# Altium PCB ANTS-MotherBoard-B1.PcbDoc (part 2 of 2) (continued)
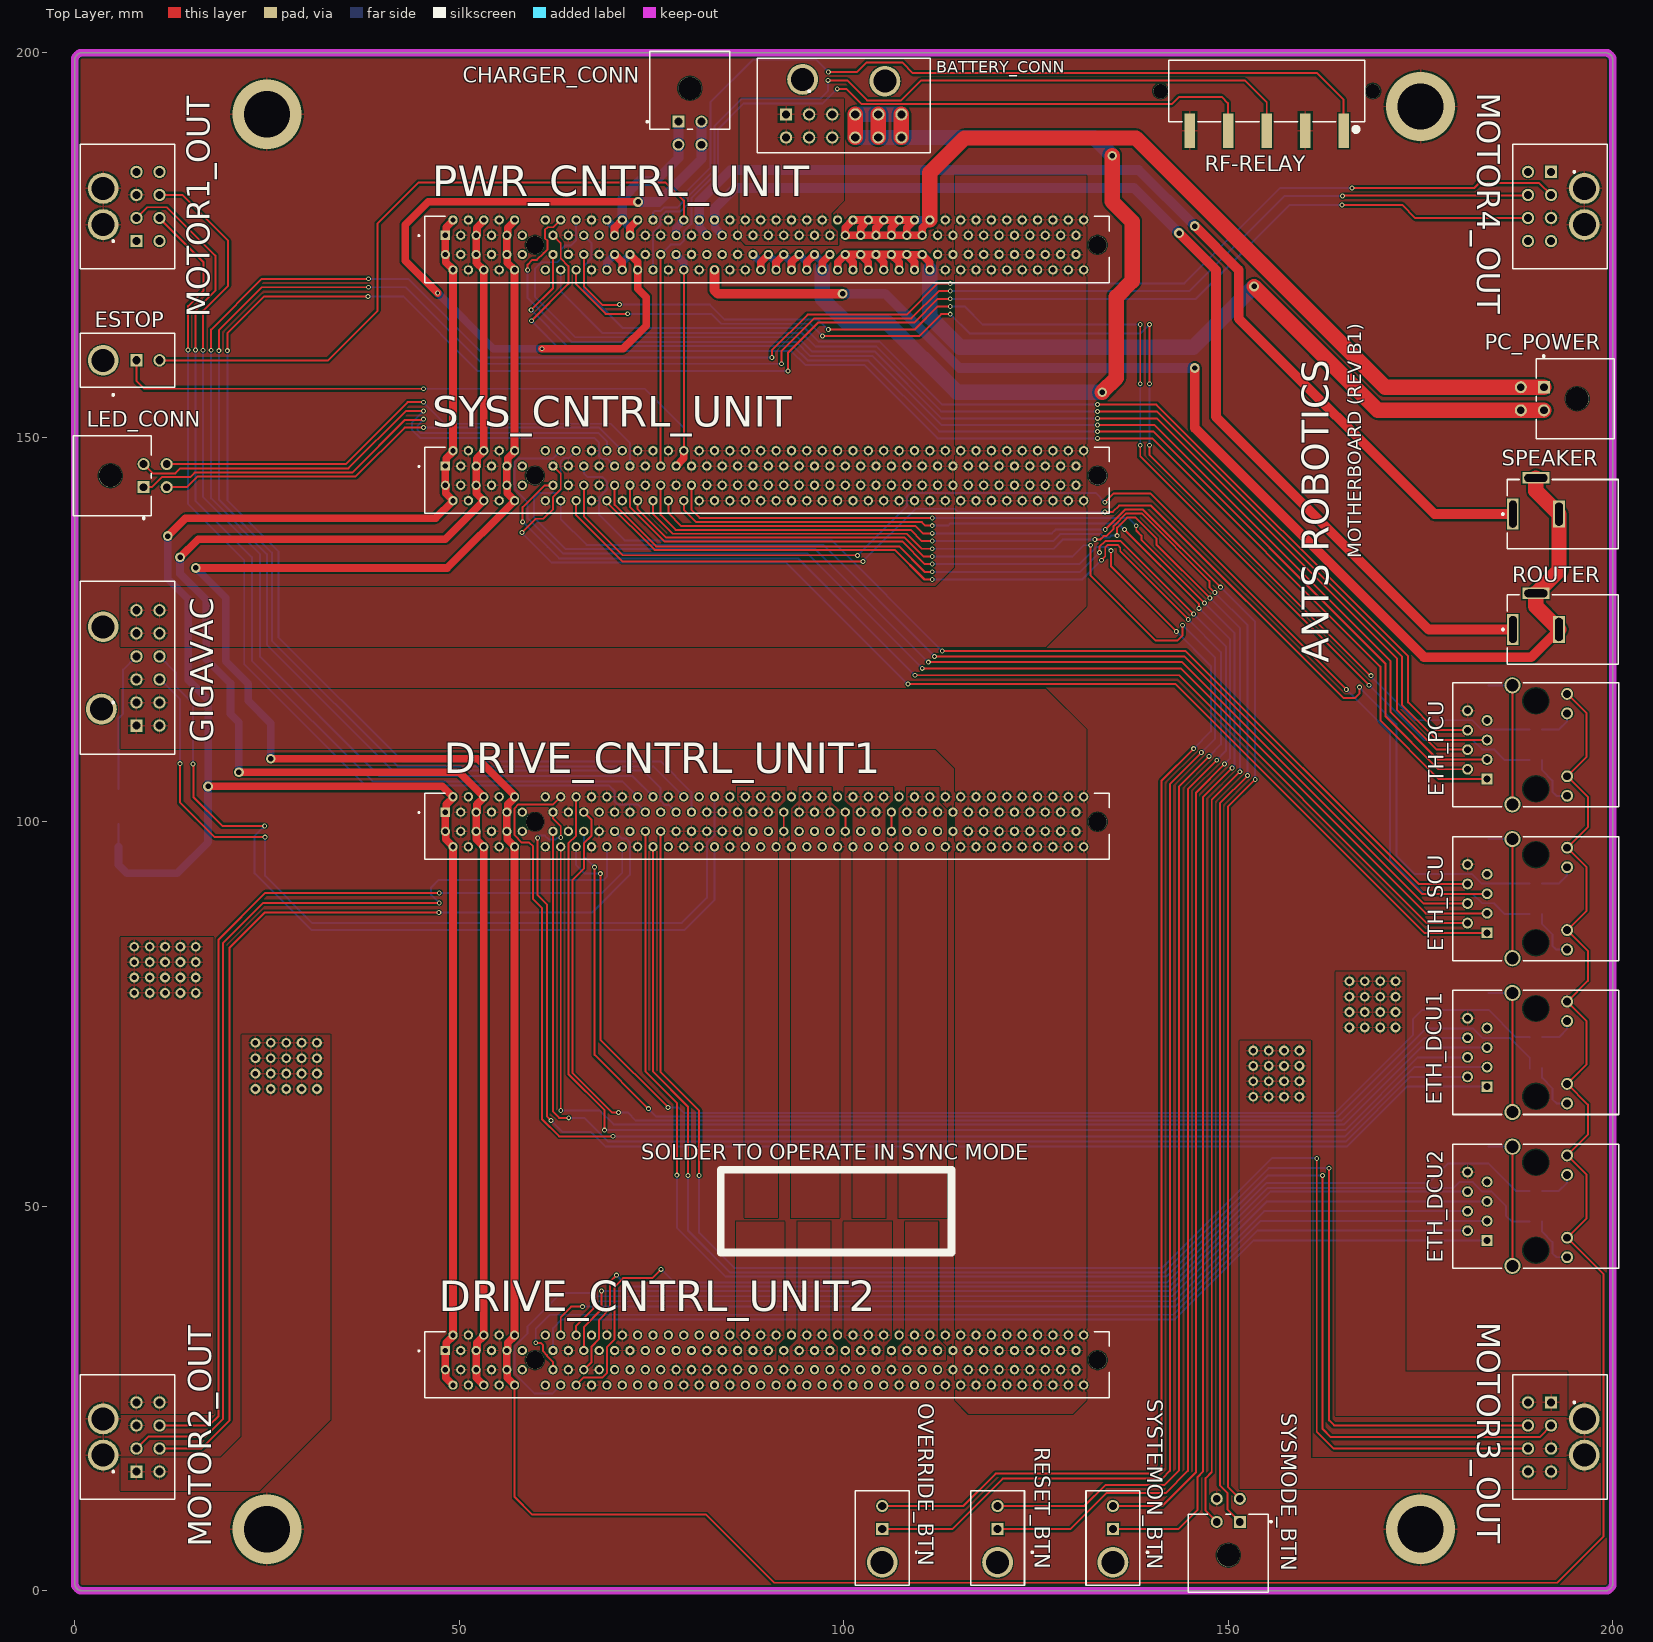
[diagram p0: Top Layer view]
## Nets (pads, with @x,y where several pads share a name; then routed paths per layer and width w, separated by ;. In a path a pad name is that pad's centre, name@x,y a point inside that pad or via, vN(x,y) a via of type N, cw(c..) or ccw(c..) an arc to the next point about the centre after c; other vN are vias at no path point) (continued)
  Bottom Layer w0.254: SYS_CNTRL_UNIT.B14@63.2,141.75 63.2,139.35 66.561,135.989 97.311,135.989 v1(111.8,121.5)
RD+_DCU1: DRIVE_CNTRL_UNIT1.A16 ETH_DCU1.5 | length 161.8
  Top Layer w0.254: DRIVE_CNTRL_UNIT1.A16@65.2,103.25 65.2,98.2 64.2,97.2 64.2,67.2 68.9,62.5 v1(68.9,59.9)
  Bottom Layer w0.254: v1(68.9,59.9) 165.2,59.9 174.665,69.365 ETH_DCU1.5@181.11,69.365
RD+_DCU2: DRIVE_CNTRL_UNIT2.A16 ETH_DCU2.5 | length 123.9
  Top Layer w0.254: DRIVE_CNTRL_UNIT2.A16@65.2,33.25 65.2,34.45 67.45,36.7 v1(67.45,37.65) v1@67.5,37.6
  Bottom Layer w0.254: v1(67.45,37.65) 142.95,37.65 154.665,49.365 ETH_DCU2.5@181.11,49.365
RD+_PCU: ETH_PCU.5 PWR_CNTRL_UNIT.A16 | length 163.5
  Top Layer w0.254: v1(133,152.45) 140.7,152.45 171.917,121.233 171.917,114.533 177.085,109.365 ETH_PCU.5@181.11,109.365
  Bottom Layer w0.254: PWR_CNTRL_UNIT.A16@65.2,178.25 65.2,175.6 64.5,174.9 63.7,174.9 63.2,174.4 63.2,173.2 62.75,172.75 60.7,172.75 59.85,171.9 59.85,168.25 65.1,163 94,163 95.85,161.15 104,161.15 112.7,152.45 v1(133,152.45)
RD+_SCU: ETH_SCU.5 SYS_CNTRL_UNIT.A16 | length 154.9
  Top Layer w0.254: v1(111,120.75) 144,120.75 175.385,89.365 ETH_SCU.5@181.11,89.365
  Bottom Layer w0.254: SYS_CNTRL_UNIT.A16@65.2,148.25 64.234,147.284 63.584,147.284 63.2,146.9 63.2,143.15 62.8,142.75 60.4,142.75 59.75,142.1 59.75,139.55 62.15,137.15 63.85,135.45 96.3,135.45 v1(111,120.75)
RD-_DCU1: DRIVE_CNTRL_UNIT1.A17 ETH_DCU1.7 | length 158.7
  Top Layer w0.254: DRIVE_CNTRL_UNIT1.A17@66.2,101.25 67.2,100.25 67.2,98.2 66.2,97.2 66.2,93.9 64.75,92.45 64.75,67.3 69.85,62.2 v1(70.7,62.2)
  Bottom Layer w0.254: v1(70.7,62.2) 71.9,62.2 72.95,61.15 164.7,61.15 175.455,71.905 ETH_DCU1.7@181.11,71.905
RD-_DCU2: DRIVE_CNTRL_UNIT2.A17 ETH_DCU2.7 | length 126.7
  Top Layer w0.254: DRIVE_CNTRL_UNIT2.A17@66.15,31.2 DRIVE_CNTRL_UNIT2.A17@66.2,31.25 66.2,34.3 68.5,36.6 v1(68.5,39)
  Bottom Layer w0.254: v1(68.5,39) 142.55,39 155.455,51.905 ETH_DCU2.7@181.11,51.905
RD-_PCU: ETH_PCU.7 PWR_CNTRL_UNIT.A17 | length 150
  Top Layer w0.254: v1(133,154.25) 140.65,154.25 173.389,121.511 173.389,115.511 176.995,111.905 ETH_PCU.7@181.11,111.905
  Bottom Layer w0.254: PWR_CNTRL_UNIT.A17@66.2,176.25 67.2,175.25 67.2,173.25 66.2,172.25 66.2,169.25 71.25,164.2 94.95,164.2 96.7,162.45 104.6,162.45 112.8,154.25 v1(133,154.25)
RD-_SCU: ETH_SCU.7 SYS_CNTRL_UNIT.A17 | length 141.9
  Top Layer w0.254: v1(112.8,122.2) 144.45,122.2 174.745,91.905 ETH_SCU.7@181.11,91.905
  Bottom Layer w0.254: SYS_CNTRL_UNIT.A17@66.2,146.25 66.2,145.3 66.65,144.85 68.6,144.85 69.2,144.25 69.2,143.2 68.2,142.2 68.2,139.9 71.516,136.584 98.416,136.584 v1(112.8,122.2)
RF_RELAY_IN: PWR_CNTRL_UNIT.B27 RF-RELAY.4 SYS_CNTRL_UNIT.A27 | length 121.2
  Top Layer w0.254: SYS_CNTRL_UNIT.A27@76.2,146.25 PWR_CNTRL_UNIT.B27@76.2,173.75 ; v1(99.15,195.3) 100.35,195.3 102.35,193.3 142.65,193.3 143.6,194.25 149.15,194.25 149.95,193.45 149.95,190 150,189.95 RF-RELAY.4@150,189.85
  Bottom Layer w0.254: PWR_CNTRL_UNIT.B27@76.2,173.75 77.5,175.05 78.7,175.05 79.2,175.55 79.2,176.75 80.2,177.75 80.2,181.05 83.65,184.5 83.65,190.05 87,193.4 97.25,193.4 v1(99.15,195.3)
SCU_OVERRIDE_BTN: OVERRIDE_BTN.1 SYS_CNTRL_UNIT.B24 | length 238.8
  Top Layer w0.254: SYS_CNTRL_UNIT.B24@73.2,141.75 73.2,140.65 76.862,136.988 107.862,136.988 110.35,134.5 v1(111.5,134.5) ; OVERRIDE_BTN.1@105,8.03 114.08,8.03 120.65,14.6 141.4,14.6 142.4,15.6 142.4,104.9 v1(146.5,109) ; v1(132.1,135.95) 132.1,132 140.55,123.55 143.35,123.55 144.05,124.25 v1(144.05,125.55)
  Bottom Layer w0.254: v1(111.5,134.5) 129.75,134.5 131.2,135.95 v1(132.1,135.95) ; v1(144.05,125.55) 148.3,121.3 148.3,110.8 v1(146.5,109)
SCU_OVERRIDE_PWR: OVERRIDE_BTN.2 SYS_CNTRL_UNIT.B23 | length 235.2
  Top Layer w0.254: SYS_CNTRL_UNIT.B23@72.2,143.75 72.2,140.935 76.685,136.45 107.6,136.45 110.55,133.5 v1(111.5,133.5) ; OVERRIDE_BTN.2@105,11.03 115.53,11.03 119.75,15.25 140.4,15.25 141.3,16.15 141.3,105.3 v1(145.5,109.5) ; v1(134.75,135.25) 134.75,133.25 v1(143.25,124.75)
  Bottom Layer w0.254: v1(111.5,133.5) 130.65,133.5 132.9,135.75 134.25,135.75 v1(134.75,135.25) ; v1(143.25,124.75) 147.75,120.25 147.75,111.75 v1(145.5,109.5)
SCU_RESET_BTN: RESET_BTN.1 SYS_CNTRL_UNIT.B21 | length 230.6
  Top Layer w0.254: SYS_CNTRL_UNIT.B21@70.2,143.75 70.2,141.197 75.593,135.804 107.196,135.804 110.5,132.5 v1(111.5,132.5) ; RESET_BTN.1@120,8.03 129.48,8.03 134.15,12.7 141.85,12.7 144.75,15.6 144.75,104.25 v1(148.5,108) ; v1(133.25,135) 133.25,135.75 134,136.5 136,136.5 v1(145.5,127)
  Bottom Layer w0.254: v1(111.5,132.5) 130.75,132.5 v1(133.25,135) ; v1(145.5,127) 149.7,122.8 149.7,109.2 v1(148.5,108)
SCU_RESET_PWR: RESET_BTN.2 SYS_CNTRL_UNIT.B20 | length 227
  Top Layer w0.254: SYS_CNTRL_UNIT.B20@69.2,141.75 69.2,141.555 75.405,135.35 106.65,135.35 110.5,131.5 v1(111.5,131.5) ; RESET_BTN.2@120,11.03 131.28,11.03 134,13.75 141.7,13.75 143.6,15.65 143.6,104.6 v1(147.5,108.5) ; v1(133.5,134) 134,134.5 134,135.688 134.312,136 135.6,136 135.95,135.65 135.95,135.15 v1(144.8,126.3)
  Bottom Layer w0.254: v1(111.5,131.5) 131,131.5 v1(133.5,134) ; v1(144.8,126.3) 149.05,122.05 149.05,110.05 v1(147.5,108.5)
SCU_SYSMODE_AUTO: SYS_CNTRL_UNIT.B27 SYSMODE_BTN.2 | length 207.9
  Top Layer w0.254: SYS_CNTRL_UNIT.B27@76.2,143.75 76.2,139.9 78.15,137.95 108.7,137.95 110.15,136.5 v1(111.5,136.5) ; v1(135.55,137.2) 135.55,138.25 136.85,139.55 137.95,139.55 140.65,136.85 140.65,136.05 v1(147.6,129.1) ; SYSMODE_BTN.2@148.5,8.965 147.05,10.415 147.05,14.65 147.85,15.45 147.85,102.85 v1(151.5,106.5)
  Bottom Layer w0.254: v1(111.5,136.5) 127.221,136.5 128.121,137.4 131.85,137.4 133.4,137.4 133.852,136.948 134.523,136.948 134.775,137.2 v1(135.55,137.2) ; v1(147.6,129.1) 151.5,125.2 v1(151.5,106.5)
SCU_SYSMODE_MNL: SYS_CNTRL_UNIT.B28 SYSMODE_BTN.3 | length 202.5
  Top Layer w0.254: SYS_CNTRL_UNIT.B28@77.2,141.75 77.2,141.7 77.15,141.65 77.2,141.6 77.2,140.15 78.9,138.45 109.35,138.45 110.3,137.5 v1(111.5,137.5) ; v1(134,138) 136.6,140.6 138.9,140.6 v1(149,130.5) ; SYSMODE_BTN.3@151.5,11.965 149.95,13.515 149.95,101.95 v1(153.5,105.5)
  Bottom Layer w0.254: v1(111.5,137.5) 127.06,137.5 127.56,138 v1(134,138) ; v1(149,130.5) 153.5,126 v1(153.5,105.5)
SCU_SYSMODE_PWR: SYS_CNTRL_UNIT.B26 SYSMODE_BTN.1 | length 208.7
  Top Layer w0.254: SYS_CNTRL_UNIT.B26@75.2,141.75 75.2,140 77.75,137.45 108.2,137.45 110.15,135.5 v1(111.5,135.5) ; v1(132.65,136.7) 133.35,136.7 133.8,137.15 134.15,137.15 135.096,138.096 135.096,138.446 136.75,140.1 138.75,140.1 147.55,131.3 147.55,130.5 v1(148.25,129.8) ; SYSMODE_BTN.1@151.5,8.965 149.9,10.565 149.9,12.7 148.9,13.7 148.9,102.4 v1(152.5,106)
  Bottom Layer w0.254: v1(111.5,135.5) 127.3,135.5 128.5,136.7 v1(132.65,136.7) ; v1(148.25,129.8) 152.5,125.55 v1(152.5,106)
SCU_SYSTEMON_BTN: SYS_CNTRL_UNIT.B31 SYSTEMON_BTN.1 | length 209.1
  Top Layer w0.254: SYS_CNTRL_UNIT.B31@80.2,143.75 80.2,140.55 81.25,139.5 v1(111.5,139.5) ; SYSTEMON_BTN.1@135,8.03 143.48,8.03 146,10.55 146,14.8 146.7,15.5 146.7,103.2 v1(150.5,107) ; v1(138.031,138.481) 138.031,137.869 138.7,137.2 138.7,136.65 v1(146.9,128.45)
  Bottom Layer w0.254: v1(111.5,139.5) 137.012,139.5 v1(138.031,138.481) ; v1(146.9,128.45) 150.8,124.55 150.8,107.3 v1(150.5,107)
SCU_SYSTEMON_PWR: SYS_CNTRL_UNIT.B30 SYSTEMON_BTN.2 | length 202.6
  Top Layer w0.254: SYS_CNTRL_UNIT.B30@79.2,141.75 79.2,140.55 80.8,138.95 110.15,138.95 110.6,138.5 v1(111.5,138.5) ; SYSTEMON_BTN.2@135,11.03 135,11 135.05,10.95 135.13,11.03 141.43,11.03 145.8,15.4 145.8,103.8 v1(149.5,107.5) ; v1(136.5,138) 146.2,128.3 v1(146.2,127.75)
  Bottom Layer w0.254: v1(111.5,138.5) 113.571,138.5 113.871,138.8 134.55,138.8 135.7,138.8 v1(136.5,138) ; v1(146.2,127.75) 150.25,123.7 150.25,108.25 v1(149.5,107.5)
TCT_DCU1: DRIVE_CNTRL_UNIT1.B13 ETH_DCU1.2 | length 160.5
  Top Layer w0.254: DRIVE_CNTRL_UNIT1.B13@62.2,98.75 62.2,62.3 63,61.5 v1(64.25,61.5)
  Bottom Layer w0.254: v1(64.25,61.5) 66.25,61.5 69.35,58.4 165.25,58.4 173.675,66.825 180.775,66.825 180.8,66.8 180.825,66.825 ETH_DCU1.2@181.11,66.825
TCT_DCU2: DRIVE_CNTRL_UNIT2.B13 ETH_DCU2.2 | length 133.1
  Top Layer w0.254: v1(59.95,32.25) 60.6,32.25 60.9,31.95 60.9,31.157 61.406,30.651 61.406,30.544 62.2,29.75 DRIVE_CNTRL_UNIT2.B13@62.2,28.75
  Bottom Layer w0.254: v1(59.95,32.25) 59.95,34.05 61.8,35.9 142.85,35.9 153.775,46.825 ETH_DCU2.2@181.11,46.825
TCT_PCU: ETH_PCU.2 PWR_CNTRL_UNIT.B13 | length 159
  Top Layer w0.254: v1(59.35,166.55) 62.2,169.4 PWR_CNTRL_UNIT.B13@62.2,173.75 ; v1(133,150.75) 140.25,150.75 170.443,120.557 170.443,113.707 177.325,106.825 180.581,106.825 180.75,106.656 180.75,106.65 180.925,106.825 ETH_PCU.2@181.11,106.825
  Bottom Layer w0.254: v1(59.35,166.55) 64.05,161.85 93.45,161.85 95.35,159.95 103.2,159.95 112.4,150.75 v1(133,150.75)
TCT_SCU: ETH_SCU.2 SYS_CNTRL_UNIT.B13 | length 151.5
  Top Layer w0.254: v1(58.25,139) 58.25,140.9 61.1,143.75 SYS_CNTRL_UNIT.B13@62.2,143.75 ; v1(109.25,119.05) 143.6,119.05 175.825,86.825 ETH_SCU.2@181.11,86.825
  Bottom Layer w0.254: v1(58.25,139) 61.5,135.75 63,134.25 94.05,134.25 v1(109.25,119.05)
TD+_DCU1: DRIVE_CNTRL_UNIT1.A13 ETH_DCU1.1 | length 170.9
  Top Layer w0.254: v1(60.2,97.9) 60.2,90.45 61.4,89.25 61.4,61.7 v1(61.95,61.15) ; DRIVE_CNTRL_UNIT1.A13@62.2,101.25 62.2,100.4 63.2,99.4 v1(63.2,97.95)
  Bottom Layer w0.254: v1(60.2,97.9) 60.5,98.2 61.15,98.2 61.65,97.7 62.543,97.7 62.72,97.877 63.127,97.877 v1(63.2,97.95) ; v1(61.95,61.15) 63.45,59.65 67.15,59.65 69,57.8 165.45,57.8 173.205,65.555 ETH_DCU1.1@183.65,65.555
TD+_DCU2: DRIVE_CNTRL_UNIT2.A13 ETH_DCU2.1 | length 129.1
  Bottom Layer w0.254: DRIVE_CNTRL_UNIT2.A13@62.2,31.25 62.2,34.15 63.35,35.3 143.05,35.3 153.305,45.555 ETH_DCU2.1@183.65,45.555
TD+_PCU: ETH_PCU.1 PWR_CNTRL_UNIT.A13 | length 167
  Top Layer w0.254: v1(59.4,165.15) 64.2,169.95 64.2,172.25 63.2,173.25 63.2,175.25 PWR_CNTRL_UNIT.A13@62.2,176.25 ; v1(133,149.85) 140.1,149.85 169.774,120.176 169.774,113.176 177.395,105.555 ETH_PCU.1@183.65,105.555
  Bottom Layer w0.254: v1(59.4,165.15) 63.35,161.2 93.2,161.2 95,159.4 102.65,159.4 112.2,149.85 v1(133,149.85)
TD+_SCU: ETH_SCU.1 SYS_CNTRL_UNIT.A13 | length 158.8
  Top Layer w0.254: v1(58.15,137.6) 59.95,139.4 60.95,139.4 62.2,140.65 62.2,142.25 63.2,143.25 63.2,145.25 SYS_CNTRL_UNIT.A13@62.2,146.25 ; v1(108.35,117.9) 143.15,117.9 175.495,85.555 ETH_SCU.1@183.65,85.555
  Bottom Layer w0.254: v1(58.15,137.6) 62.05,133.7 92.55,133.7 v1(108.35,117.9)
TD-_DCU1: DRIVE_CNTRL_UNIT1.A14 ETH_DCU1.3 | length 176.6
  Top Layer w0.254: DRIVE_CNTRL_UNIT1.A14@63.2,103.25 62.2,102.25 57.7,102.25 57.2,101.75 57.2,98.25 58.15,97.3 59.1,97.3 59.6,96.8 59.6,89.95 60.75,88.8 60.75,61.35 63,59.1 v1(70,59.1)
  Bottom Layer w0.254: v1(70,59.1) 165.2,59.1 174.195,68.095 ETH_DCU1.3@183.65,68.095
TD-_DCU2: DRIVE_CNTRL_UNIT2.A14 ETH_DCU2.3 | length 128
  Top Layer w0.254: DRIVE_CNTRL_UNIT2.A14@63.2,33.25 63.2,35.6 64.55,36.95 v1(66.042,36.95)
  Bottom Layer w0.254: v1(66.042,36.95) 143.1,36.95 154.245,48.095 ETH_DCU2.3@183.65,48.095
TD-_PCU: ETH_PCU.3 PWR_CNTRL_UNIT.A14 | length 166.5
  Top Layer w0.254: v1(58.9,171.75) 58.9,172.45 59.5,173.05 60.101,173.05 60.974,173.924 61.5,174.45 61.5,175.55 61.15,175.9 61.15,176.95 61.5,177.3 62.25,177.3 PWR_CNTRL_UNIT.A14@63.2,178.25 ; v1(133,151.6) 140.4,151.6 171.107,120.893 171.107,114.243 177.255,108.095 ETH_PCU.3@183.65,108.095
  Bottom Layer w0.254: v1(58.9,171.75) 58.9,168.1 64.6,162.4 93.8,162.4 95.65,160.55 103.75,160.55 112.7,151.6 v1(133,151.6)
TD-_SCU: ETH_SCU.3 SYS_CNTRL_UNIT.A14 | length 160.7
  Top Layer w0.254: v1(110.2,119.95) 143.8,119.95 175.655,88.095 ETH_SCU.3@183.65,88.095
  Bottom Layer w0.254: SYS_CNTRL_UNIT.A14@63.2,148.25 62.2,147.25 57.65,147.25 57.2,146.8 57.2,143.25 58.9,141.55 58.9,139.45 61.95,136.4 63.5,134.85 95.3,134.85 v1(110.2,119.95)
pads on no net: BATTERY_CONN.MH1 BATTERY_CONN.MH2 CHARGER_CONN. DRIVE_CNTRL_UNIT1. DRIVE_CNTRL_UNIT1.A11 DRIVE_CNTRL_UNIT1.A12 DRIVE_CNTRL_UNIT1.A19 DRIVE_CNTRL_UNIT1.B11 DRIVE_CNTRL_UNIT1.B12 DRIVE_CNTRL_UNIT2. DRIVE_CNTRL_UNIT2.A11 DRIVE_CNTRL_UNIT2.A12 DRIVE_CNTRL_UNIT2.A19 DRIVE_CNTRL_UNIT2.A24 DRIVE_CNTRL_UNIT2.A25 DRIVE_CNTRL_UNIT2.A26 DRIVE_CNTRL_UNIT2.A27 DRIVE_CNTRL_UNIT2.A28 DRIVE_CNTRL_UNIT2.A29 DRIVE_CNTRL_UNIT2.A30 DRIVE_CNTRL_UNIT2.A31 DRIVE_CNTRL_UNIT2.A32 DRIVE_CNTRL_UNIT2.A34 DRIVE_CNTRL_UNIT2.B11 DRIVE_CNTRL_UNIT2.B12 DRIVE_CNTRL_UNIT2.B20 DRIVE_CNTRL_UNIT2.B21 DRIVE_CNTRL_UNIT2.B22 DRIVE_CNTRL_UNIT2.B23 DRIVE_CNTRL_UNIT2.B24 DRIVE_CNTRL_UNIT2.B25 DRIVE_CNTRL_UNIT2.B26 DRIVE_CNTRL_UNIT2.B27 DRIVE_CNTRL_UNIT2.B28 DRIVE_CNTRL_UNIT2.B34 ESTOP.MH1 ETH_DCU1.4 ETH_DCU1.MH1 ETH_DCU1.MH2 ETH_DCU2.4 ETH_DCU2.MH1 ETH_DCU2.MH2 ETH_PCU.4 ETH_PCU.MH1 ETH_PCU.MH2 ETH_SCU.4 ETH_SCU.MH1 ETH_SCU.MH2 GIGAVAC.MH1 GIGAVAC.MH2 LED_CONN. OVERRIDE_BTN.MH1 PC_POWER. PWR_CNTRL_UNIT. PWR_CNTRL_UNIT.A11 PWR_CNTRL_UNIT.A12 PWR_CNTRL_UNIT.A19 PWR_CNTRL_UNIT.B11 PWR_CNTRL_UNIT.B12 RESET_BTN.MH1 RF-RELAY.M1 RF-RELAY.M2 SYS_CNTRL_UNIT. SYS_CNTRL_UNIT.A11 SYS_CNTRL_UNIT.A12 SYS_CNTRL_UNIT.B11 SYS_CNTRL_UNIT.B12 SYSMODE_BTN. SYSTEMON_BTN.MH1

## Polygon pours and split planes (outlines as drawn)
+24V_MOTOR_CONT on Top Layer "+24V_MOTOR_CONT_L01_P002" (solid, pour order 2): 6,122.75 126.25,122.75 131.5,128 131.5,184 114.5,184 114.5,133.05 111.95,130.5 6,130.5
GND on Top Layer "GND_L01_P038" (solid, pour order 38): 0,200 200,200 200,0 0,0
MOTOR3_CHB on Top Layer "MOTOR3_CHB_L01_P034" (solid, pour order 34): 194.05,28.5 194.05,22.75 164,22.75 164,80.5 173,80.5 173,28.5
MOTOR3_CHA on Top Layer "MOTOR3_CHA_L01_P035" (solid, pour order 35): 193.923,17.25 193.923,13.25 151.5,13.25 151.5,71.5 160.75,71.5 160.75,17.25
MOTOR4_CHA on Top Layer "MOTOR4_CHA_L01_P033" (solid, pour order 33): 106.4,104.5 106.4,102.75 105.4,101.75 105.4,48.5 101.15,48.5 101.15,101.75 100.15,102.75 100.15,104.5
MOTOR4_CHB on Top Layer "MOTOR4_CHB_L01_P032" (solid, pour order 32): 112.4,104.5 112.4,102.55 113.4,101.55 113.4,48.5 107.15,48.5 107.15,101.75 108.15,102.75 108.15,104.5
MOTOR4_CHB on Top Layer "MOTOR4_CHB_L01_P031" (solid, pour order 31): 107,30 107,31.75 108,32.75 108,48 112.25,48 112.25,32.75 113.25,31.75 113.25,30
MOTOR4_CHA on Top Layer "MOTOR4_CHA_L01_P030" (solid, pour order 30): 101,30 101,31.95 100,32.95 100,48 106.25,48 106.25,32.75 105.25,31.75 105.25,30
MOTOR1_CHA on Top Layer "MOTOR1_CHA_L01_P029" (solid, pour order 29): 92.4,104.5 92.4,102.75 91.4,101.75 91.4,48.5 87.15,48.5 87.15,101.75 86.15,102.75 86.15,104.5
MOTOR1_CHB on Top Layer "MOTOR1_CHB_L01_P028" (solid, pour order 28): 98.4,104.5 98.4,102.55 99.4,101.55 99.4,48.5 93.15,48.5 93.15,101.75 94.15,102.75 94.15,104.5
MOTOR1_CHB on Top Layer "MOTOR1_CHB_L01_P027" (solid, pour order 27): 93,30 93,31.75 94,32.75 94,48 98.25,48 98.25,32.75 99.25,31.75 99.25,30
MOTOR1_CHA on Top Layer "MOTOR1_CHA_L01_P026" (solid, pour order 26): 87,30 87,31.95 86,32.95 86,48 92.25,48 92.25,32.75 91.25,31.75 91.25,30
MOTOR2_CHB on Top Layer "MOTOR2_CHB_L01_P014" (solid, pour order 14): 6,17.3 19,17.3 21.75,20.05 21.75,72.3 33.25,72.3 33.25,22.25 24,13 6,13
MOTOR2_CHA on Top Layer "MOTOR2_CHA_L01_P013" (solid, pour order 13): 6,23 18,23 18,85 6,85
+24V_MOTOR on Top Layer "+24V_MOTOR_L01_P001" (solid, pour order 1): 6,117.25 126.25,117.25 131.5,112 131.5,24.75 129.75,23 116.25,23 114.5,24.75 114.5,106.95 111.95,109.5 6,109.5
+24V_BAT_RAW on Top Layer "+24V_BAT_RAW_L01_P000" (solid, pour order 0): 87.25,175 86.5,175.75 86.5,194 100,194 100,180.75 98.4,179.15 98.4,177.65 99.25,176.8 99.25,175
MOTOR3_CHB on Bottom Layer "MOTOR3_CHB_L02_P036" (solid, pour order 36): 173.5,80.5 139.75,80.5 139.75,72.25 173.5,72.25
GND on Bottom Layer "GND_L02_P039" (solid, pour order 39): 0,200 200,200 200,0 0,0
MOTOR3_CHA on Bottom Layer "MOTOR3_CHA_L02_P037" (solid, pour order 37): 161.5,71.5 139.75,71.5 139.75,62.5 161.5,62.5
MOTOR3_CHB on Bottom Layer "MOTOR3_CHB_L02_P025" (solid, pour order 25): 107,100.052 107,98.25 108,97.25 108,80.35 116.1,72.25 139.25,72.25 139.25,80.5 118.5,80.5 112.4,86.6 112.4,97.4 113.25,98.25 113.25,100
MOTOR3_CHA on Bottom Layer "MOTOR3_CHA_L02_P024" (solid, pour order 24): 101,100 101,98 100,97 100,72.8 110.3,62.5 139.25,62.5 139.25,71.5 113.25,71.5 109.35,75.4 106.25,78.5 106.25,97.5 105.35,98.4 105.35,100
MOTOR2_CHB on Bottom Layer "MOTOR2_CHB_L02_P020" (solid, pour order 20): 21.75,72.5 78.05,72.5 78.05,63.5 21.75,63.5
MOTOR2_CHB on Bottom Layer "MOTOR2_CHB_L02_P019" (solid, pour order 19): 93,100 93,98.3 94,97.3 94,80 86.5,72.5 78.5,72.5 78.5,63.5 89.7,63.5 99,72.8 99,95.5 98.45,96.05 98.45,97.45 99.4,98.4 99.4,100
MOTOR2_CHA on Bottom Layer "MOTOR2_CHA_L02_P017" (solid, pour order 17): 87.2,100 87.2,98.25 86,97.05 86,89.5 81.5,85 78.5,85 78.5,76 83.45,76 92.25,84.8 92.25,97.3 91.3,98.25 91.3,100
MOTOR2_CHA on Bottom Layer "MOTOR2_CHA_L02_P015" (solid, pour order 15): 6,85 78,85 78,76 6,76
MOTOR3_CHB on Bottom Layer "MOTOR3_CHB_L02_P012" (solid, pour order 12): 107,30 107,28.35 108,27.35 108,21.3 110.5,18.8 182.55,18.8 186.5,22.75 194.05,22.75 194.05,28.5 179.25,28.5 174.25,23.5 114.75,23.5 112.25,26 112.25,27.2 113.25,28.2 113.25,30
MOTOR3_CHA on Bottom Layer "MOTOR3_CHA_L02_P011" (solid, pour order 11): 101,30 101,28.2 100.1,27.3 100.1,15.65 102.5,13.25 180.8,13.25 182.7,11.35 194,11.35 194,17.25 108.5,17.25 106.25,19.5 106.25,27.3 105.25,28.3 105.25,30
MOTOR2_CHB on Bottom Layer "MOTOR2_CHB_L02_P010" (solid, pour order 10): 93,30 93,28.35 94,27.35 94,22.75 88.55,17.3 6,17.3 6,13 91.15,13 97.5,19.35 97.5,25.3 98.25,26.05 98.25,27.25 99.25,28.25 99.25,30
MOTOR2_CHA on Bottom Layer "MOTOR2_CHA_L02_P009" (solid, pour order 9): 87,30 87,27.95 86.15,27.1 86.15,24.85 83.8,22.5 20.6,22.5 16.45,26.65 6,26.65 6,23 12.65,23 16.15,19.5 88.35,19.5 92.25,23.4 92.25,27.25 91.25,28.25 91.25,30
EXTRA_GND on Bottom Layer "EXTRA_GND_L02_P008" (solid, pour order 8): 81,175 81,173.25 82,172.25 82,170.5 84.25,170.5 84.25,172.15 85.25,173.15 85.25,175
MOTOR1_CHB on Bottom Layer "MOTOR1_CHB_L02_P007" (solid, pour order 7): 93,100 93,101.5 94,102.5 94,105.35 80.65,118.7 55.5,118.7 31.2,143 31.2,170.05 18.25,183 6,183 6,188 21.3,188 37,172.3 37,145.8 57.8,125 83.3,125 98.25,110.05 98.25,102.75 99.4,101.6 99.4,100
MOTOR1_CHA on Bottom Layer "MOTOR1_CHA_L02_P005" (solid, pour order 5): 87.2,100 87.2,101.65 86,102.85 86,104.5 76.9,113.6 51.65,113.6 21,144.25 21,169 17,173 6,173 6,177 19,177 28,168 28,145 55.7,117.3 81.2,117.3 92.25,106.25 92.25,102.5 91.3,101.55 91.3,100
MOTOR4_CHB on Bottom Layer "MOTOR4_CHB_L02_P004" (solid, pour order 4): 107,100.052 107,101.7 108.05,102.75 108.05,105.8 125.55,123.3 133.3,123.3 158.5,148.5 158.5,161.25 174.25,177 194,177 194,172.75 179.95,172.75 162.75,155.55 162.75,146.15 136.4,119.8 128.1,119.8 112.25,103.95 112.25,102.75 113.25,101.75 113.25,100
MOTOR4_CHA on Bottom Layer "MOTOR4_CHA_L02_P003" (solid, pour order 3): 101,100 101,102 100,103 100,105.5 124.25,129.75 130.1,129.75 150.5,150.15 150.5,163.9 173.35,186.75 194,186.75 194,183 178.7,183 157.9,162.2 157.9,149 132.9,124 125.7,124 106.25,104.55 106.25,102.55 105.35,101.65 105.35,100
MOTOR3_CHB on Bottom Solder "NONET_L01_P-001" (solid): 142.75,80 139.95,80 139.95,72.75 142.75,72.75
MOTOR3_CHA on Bottom Solder "NONET_L01_P-001" (solid): 142.8,71 139.95,71 139.95,63 142.8,63
MOTOR3_CHA on Bottom Solder "NONET_L01_P-001" (solid): 136.2,71 139.05,71 139.05,63 136.2,63
MOTOR3_CHB on Bottom Solder "NONET_L01_P-001" (solid): 136.25,80 139.05,80 139.05,72.75 136.25,72.75
MOTOR2_CHA on Bottom Solder "NONET_L01_P-001" (solid): 78.7,84.5 81.5,84.5 81.5,76.5 78.7,76.5
MOTOR2_CHA on Bottom Solder "NONET_L01_P-001" (solid): 75,84.5 77.8,84.5 77.8,76.5 75,76.5
MOTOR2_CHB on Bottom Solder "NONET_L01_P-001" (solid): 75,72 77.85,72 77.85,64 75,64
MOTOR2_CHB on Bottom Solder "NONET_L01_P-001" (solid): 78.75,72 81.5,72 81.5,64 78.75,64
MOTOR4_CHA on Top Solder "NONET_L01_P-001" (solid): 104.95,48.7 104.95,51.75 101.55,51.75 101.55,48.7
MOTOR4_CHA on Top Solder "NONET_L01_P-001" (solid): 113.05,48.8 113.05,51.85 107.55,51.85 107.55,48.8
MOTOR4_CHA on Top Solder "NONET_L01_P-001" (solid): 105.85,44.7 105.85,47.75 100.35,47.75 100.35,44.7
MOTOR4_CHB on Top Solder "NONET_L01_P-001" (solid): 111.8,44.7 111.8,47.75 108.4,47.75 108.4,44.7
MOTOR1_CHB on Top Solder "NONET_L01_P-001" (solid): 99.05,48.8 99.05,51.85 93.55,51.85 93.55,48.8
MOTOR1_CHA on Top Solder "NONET_L01_P-001" (solid): 90.95,48.7 90.95,51.75 87.55,51.75 87.55,48.7
MOTOR1_CHB on Top Solder "NONET_L01_P-001" (solid): 97.8,44.7 97.8,47.75 94.4,47.75 94.4,44.7
MOTOR1_CHA on Top Solder "NONET_L01_P-001" (solid): 91.85,44.7 91.85,47.75 86.35,47.75 86.35,44.7

## Keep-outs
Keep-Out Layer:
  the board outline again, w1

## Silkscreen, mask and mechanical layers (free items; w line width, h text height)
Top Overlay:
  lines w1: 84,44 84,54.75 114,54.75 114,44 84,44
  text "MOTHERBOARD (REV B1)" at 167.85,134.25 h3 r90
  text "ANTS ROBOTICS" at 164.25,120.65 h6 r90
  text "SOLDER TO OPERATE IN SYNC MODE" at 73.654,56.054 h2
Bottom Overlay:
  lines w1: 85.9,95 85.9,89.3 112.3,89.3 112.3,95 ; 86.1,35 86.1,40.7 112.5,40.7 112.5,35 ; 72.45,62 72.45,86.5 83.2,86.5 83.2,62 72.45,62 ; 134.15,59.75 134.15,84.25 144.9,84.25 144.9,59.75 134.15,59.75
  text "SOLDER TO OPERATE / IN SYNC MODE" at 71.5,91.944 h2 r90
  text "SOLDER CH1 & CH2 / CH3 & CH4 / TO OPERATE IN  / ASYNC MODE" at 117.294,76.4 h2
  text "SOLDER TO OPERATE / IN SYNC MODE" at 145.85,54.306 h2 r270
  text "SYNC MODE ->  / EVERY DCU CONTROLS 4 MOTORS /  / ASYNC MODE ->  / DCU1 FOR MOTOR 1 & 4 / DCU2 FOR MOTOR 2 & 3" at 62.3,42.85 h2
  text "SOLDER CH1 & CH2 / CH3 & CH4 / TO OPERATE IN  / ASYNC MODE" at 116.044,41.65 h2

## Text inside footprints (layer, text, board x,y; h text height)
BATTERY_CONN: Bottom Overlay "12" at 111.046,188.304 h1.52; Bottom Overlay "6" at 110.046,191.254 h1.52; Bottom Overlay "7" at 90.746,188.254 h1.52; Bottom Overlay "1" at 90.746,191.254 h1.52
ESTOP: Bottom Overlay "2" at 11.596,158.496 h1.52 r90; Bottom Overlay "1" at 8.696,158.246 h1.52 r90
GIGAVAC: Bottom Overlay "12" at 11.696,131.046 h1.52 r90; Bottom Overlay "6" at 8.746,130.046 h1.52 r90; Bottom Overlay "7" at 11.746,110.746 h1.52 r90; Bottom Overlay "1" at 8.746,110.746 h1.52 r90
MOTOR1_OUT: Bottom Overlay "1" at 8.596,173.946 h1.52 r90; Bottom Overlay "5" at 11.596,173.946 h1.52 r90; Bottom Overlay "4" at 8.616,187.046 h1.52 r90; Bottom Overlay "8" at 11.616,187.046 h1.52 r90
MOTOR2_OUT: Bottom Overlay "1" at 8.596,13.946 h1.52 r90; Bottom Overlay "5" at 11.596,13.946 h1.52 r90; Bottom Overlay "4" at 8.616,27.046 h1.52 r90; Bottom Overlay "8" at 11.616,27.046 h1.52 r90
MOTOR3_OUT: Bottom Overlay "1" at 191.404,26.054 h1.52 r270; Bottom Overlay "5" at 188.404,26.054 h1.52 r270; Bottom Overlay "4" at 191.384,12.954 h1.52 r270; Bottom Overlay "8" at 188.384,12.954 h1.52 r270
MOTOR4_OUT: Bottom Overlay "1" at 191.404,186.054 h1.52 r270; Bottom Overlay "5" at 188.404,186.054 h1.52 r270; Bottom Overlay "4" at 191.384,172.954 h1.52 r270; Bottom Overlay "8" at 188.384,172.954 h1.52 r270
OVERRIDE_BTN: Bottom Overlay "2" at 106.504,11.596 h1.52 r180; Bottom Overlay "1" at 106.754,8.696 h1.52 r180
RESET_BTN: Bottom Overlay "2" at 121.504,11.596 h1.52 r180; Bottom Overlay "1" at 121.754,8.696 h1.52 r180
SYSTEMON_BTN: Bottom Overlay "2" at 136.504,11.596 h1.52 r180; Bottom Overlay "1" at 136.754,8.696 h1.52 r180